# Altium PCB PCB1.PcbDoc
Units mm, origin at the board's own origin, x right, y up, seen from the top; angles counter-clockwise.
Board outline 68.07 x 91.57 mm, 2 copper layers (Top Layer, Bottom Layer); 10 components, 29 nets, 94 pads, 8 vias.
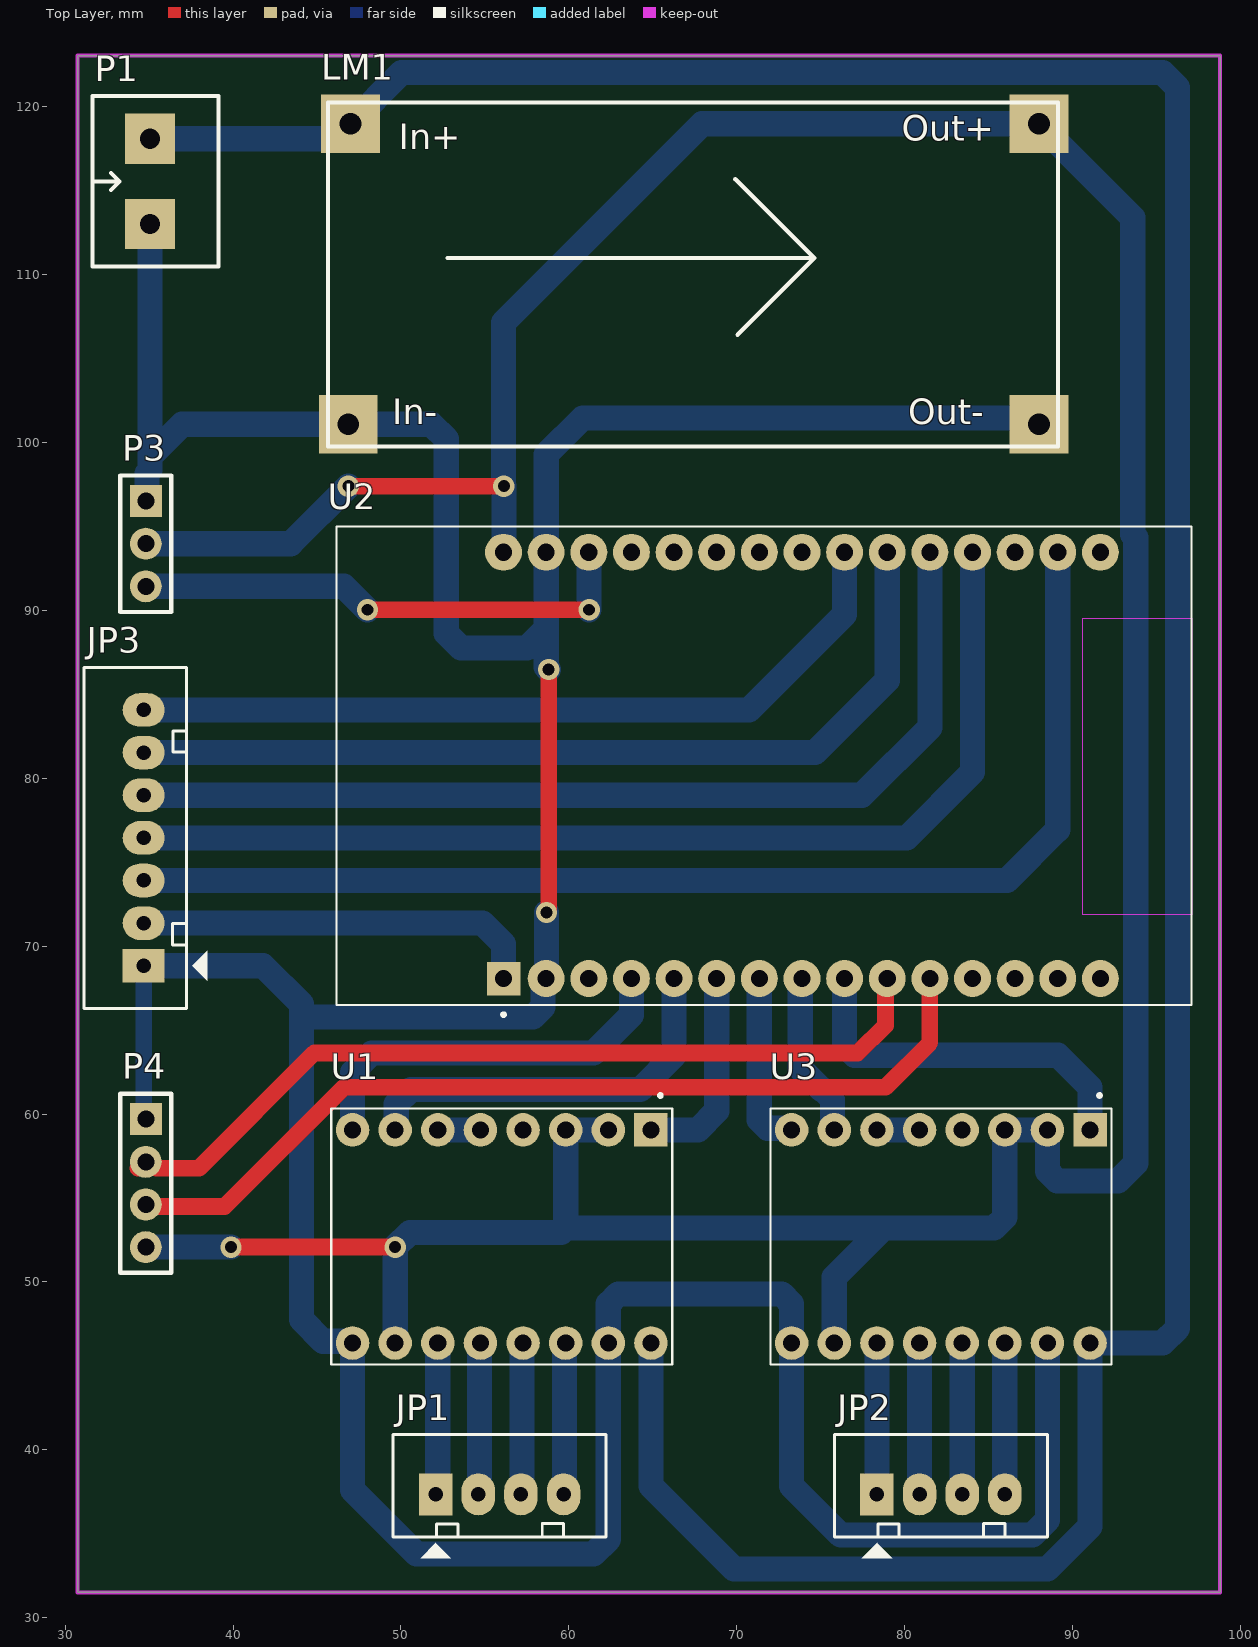
[diagram p0: Top Layer view]
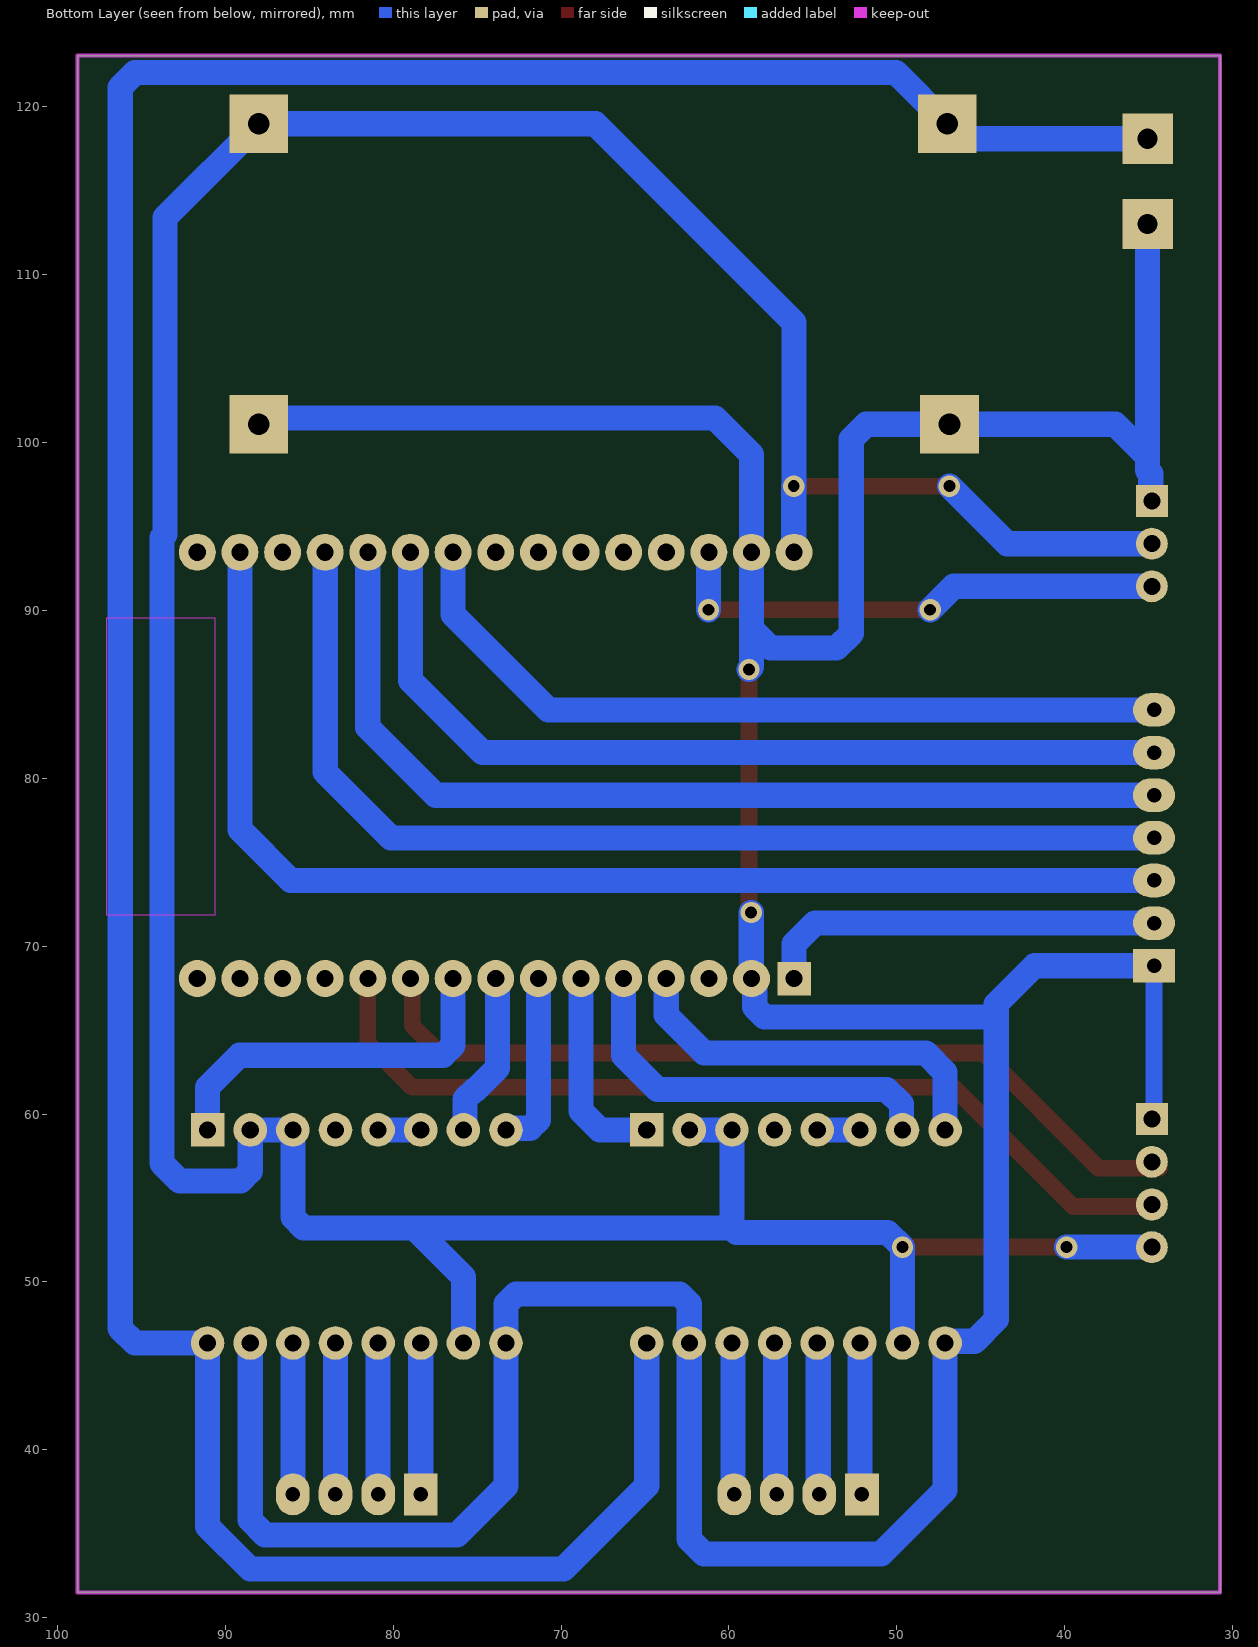
[diagram p1: Bottom Layer view, seen from below]
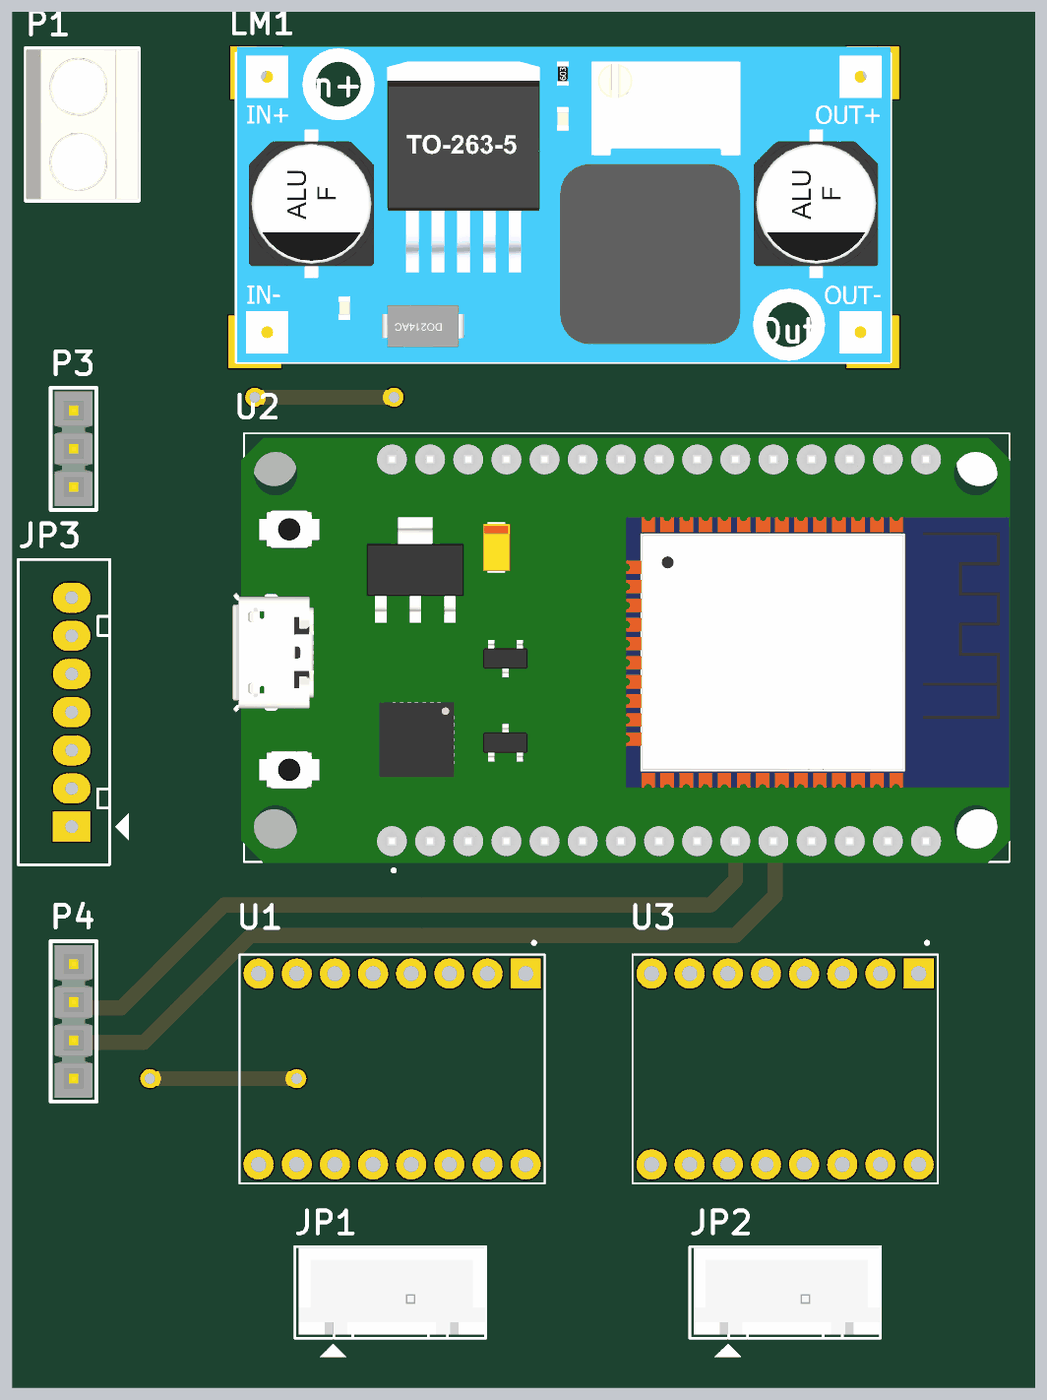
[diagram p2: 3D render of the assembled board from above, using the file's embedded part models]

## Layer stack, top to bottom
Top Solder: solder mask 0.0102, Solder Resist, Dk 3.5
Top Layer: signal copper 0.0356
Dielectric 1: dielectric 0.32, FR-4, Dk 4.8
Bottom Layer: signal copper 0.0356
Bottom Solder: solder mask 0.0102, Solder Resist, Dk 3.5

## Board outline
30.734,31.496 30.734,123.063 98.806,123.063 98.806,31.496

## Design rules (kind name [scope] priority, off if disabled: settings)
Clearance [All] p1: gap=0.254 ignorepadtopadclearanceinfootprint=FALSE
PolygonConnect [All] p1: connectstyle=Relief reliefconductorwidth=0.254 reliefentries=4 polygonreliefangle="90 Angle" airgapwidth=0.254
RoutingVias [All] p1: holewidth=0.711 width=1.27 viastyle="Through Hole" minholewidth=0.711 minwidth=1.27 maxholewidth=0.711 maxwidth=1.27
SolderMaskExpansion [All] p1: expansion=0.102 istentingtop=FALSE
Width [All] p1: maxlimit=1.5 minlimit=1 preferedwidth=1 toplayer_maxwidth=1 minimp=50.000000 maximp=50.000000 favimp=50.000000
30 further rules are at their usual default settings.

## Components (designator, comment, footprint, x,y, rotation, side; value= is the part's Value field where it differs from the comment)
JP1 "JP4" CON4 52.07,37.338 r0 top value="Connector 4"
JP2 "JP4" CON4 78.359,37.338 r0 top value="Connector 4"
JP3 "JP7" CON7 34.671,68.834 r90 top value="Connector 7"
LM1 "LM2596-Adj" lm2596 63.5,107.95 r0 top
P1 "Header 2 - M" "Medium - Header 2" 35.052,115.57 r90 top
P3 "Header 3" "Header 3" 34.798,96.52 r270 top
P4 "Header 4" "Header 4" 34.798,59.69 r270 top
U1 "A4988" MODULE_A4988_STEPPER_MOTOR_DRIVER_CARRIER 56.007,52.705 r270 top
U2 "ESP32-DEVKIT-V1" MODULE_ESP32_DEVKIT_V1 71.628,80.772 r90 top
U3 "A4988" MODULE_A4988_STEPPER_MOTOR_DRIVER_CARRIER 82.169,52.705 r270 top

## Footprints (in the part's own frame and the unit in brackets; to place one, negate y for a bottom-side part, rotate by r counter-clockwise, add the part's x,y. Pads: shape width x height; smd on the part's side, far side on the other; paste and mask are expansions set on the pad)
CON4 [mm] "CON4"
  rect 2x2.5 hole 0.864: 1(0,0)
  oval 2x2.5 hole 0.864: 2(2.54,0) 3(5.08,0) 4(7.62,0)
  silkscreen extent -2.54,-3.8 10.16,3.56, body extent -2.29,-2.29 10.11,3.46, height 7
CON7 [mm] "CON7"
  rect 2x2.5 hole 0.864: 1(0,0)
  oval 2x2.5 hole 0.864: 2(2.54,0) 3(5.08,0) 4(7.62,0) 5(10.16,0) 6(12.7,0) 7(15.24,0)
  silkscreen extent -2.54,-3.8 17.78,3.56
"Header 3" [mil] "Connector; Header; 3 Position; Solder Pad 35mil"
  rect 75x75 hole 40: 1(0,0)
  round 75 hole 40: 2(100,0) 3(200,0)
  silkscreen extent -60,-60 260,60, body extent -50,-50 250,50, height 83
"Header 4" [mil] "Connector; Header; 4 Position; Solder Pad 35mil"
  rect 75x75 hole 40: 1(0,0)
  round 75 hole 40: 2(100,0) 3(200,0) 4(300,0)
  silkscreen extent -60,-60 360,60, body extent -50,-50 350,50, height 330
lm2596 [mm]
  rect 3.5x3.5 hole 1.3: 1(-16.51,11.049) 2(-16.637,-6.858) 3(24.511,-6.858) 4(24.511,11.049)
  silkscreen extent -17.85,-8.18 25.65,12.32, body extent -17.81,-8.21 25.69,12.79, height 13.68
"Medium - Header 2" [mm]
  rect 3x3 hole 1.2: 1(-2.54,0) 2(2.54,0)
  silkscreen extent -5.08,-4.08 5.08,3.43, body extent -5,-4.07 5,3.43, height 10
MODULE_A4988_STEPPER_MOTOR_DRIVER_CARRIER [mm]
  rect 2x2 hole 1.02: 1(-6.35,8.89)
  round 2 hole 1.02: 2(-6.35,6.35) 3(-6.35,3.81) 4(-6.35,1.27) 5(-6.35,-1.27) 6(-6.35,-3.81) 7(-6.35,-6.35) 8(-6.35,-8.89) 9(6.35,-8.89) 10(6.35,-6.35) 11(6.35,-3.81) 12(6.35,-1.27) 13(6.35,1.27) 14(6.35,3.81) 15(6.35,6.35) 16(6.35,8.89)
  silkscreen extent -8.5,-10.16 7.62,10.16
MODULE_ESP32_DEVKIT_V1 [mm]
  rect 2x2 / inner round 2 / far side rect 2x2 hole 1.02: 1(-12.7,15.515)
  round 2.2 hole 1.02: 2(-12.7,12.975) 3(-12.7,10.435) 4(-12.7,7.895) 5(-12.7,5.355) 6(-12.7,2.815) 7(-12.7,0.275) 8(-12.7,-2.265) 9(-12.7,-4.805) 10(-12.7,-7.345) 11(-12.7,-9.885) 12(-12.7,-12.425) 13(-12.7,-14.965) 14(-12.7,-17.505) 15(-12.7,-20.045) 16(12.7,-20.045) 17(12.7,-17.505) 18(12.7,-14.965) 19(12.7,-12.425) 20(12.7,-9.885) 21(12.7,-7.345) 22(12.7,-4.805) 23(12.7,-2.265) 24(12.7,0.275) 25(12.7,2.815) 26(12.7,5.355) 27(12.7,7.895) 28(12.7,10.435) 29(12.7,12.975) 30(12.7,15.515)
  round 3 on Top Paste: ""(-12.28,23.475) ""(12.23,23.475)
  round 3 on Top Overlay: ""(-12.28,-23.475) ""(12.23,-23.475)
  Top Layer keep-out region: 8.78,-25.475 -8.91,-25.475 -8.91,-18.985 8.78,-18.985
  Keep-Out Layer region: 8.78,-25.475 -8.91,-25.475 -8.91,-18.985 8.78,-18.985
  silkscreen extent -14.95,-25.48 14.23,25.48, body extent -14.35,-25.53 13.95,26.24, height 4.7

## Part data
JP1 JP2: library part Con4, "Connector 4"
JP3: library part Con7, "Connector 7"
LM1: "Designed By @Alixahedi"
P1: "Header, 2-Pin, Medium", LatestRevisionDate=17-Jul-2002, LatestRevisionNote="Re-released for DXP Platform.", Publisher="Altium Limited"
P3: "Header, 3-Pin", LatestRevisionDate=17-Jul-2002, LatestRevisionNote="Re-released for DXP Platform.", Publisher="Altium Limited"
P4: "Header, 4-Pin", LatestRevisionDate=17-Jul-2002, LatestRevisionNote="Re-released for DXP Platform.", Publisher="Altium Limited"
U1 U3: library part A4988_STEPPER_MOTOR_DRIVER_CARRIER, "Stepper motor controler; IC: A4988; 1A; Uin mot: 8Ã·35V", Package=None, Availability=Unavailable, MP=A4988_STEPPER_MOTOR_DRIVER_CARRIER, Price=None
U2: "Dual core, Wi-Fi: 2.4 GHz up to 150 Mbits/s,BLE (Bluetooth Low Energy) and legacy Bluetooth, 32 bits, Up to 240 MHz", Package=None, Availability="Not in stock", Check_prices=https://www.snapeda.com/parts/ESP32-DEVKIT-V1/Do+it/view-part/?ref=eda, MF="Do it", MP=ESP32-DEVKIT-V1, Price=None, SnapEDA_Link=https://www.snapeda.com/parts/ESP32-DEVKIT-V1/Do+it/view-part/?ref=snap

## Via types
v1: diameter 1.27, hole 0.711, Top Layer to Bottom Layer, 8 vias

## Nets (pads, with @x,y where several pads share a name; then routed paths per layer and width w, separated by ;. In a path a pad name is that pad's centre, name@x,y a point inside that pad or via, vN(x,y) a via of type N, cw(c..) or ccw(c..) an arc to the next point about the centre after c; other vN are vias at no path point)
1: JP2.1 U3.11 | length 9
  Bottom Layer w1.5: JP2.1 U3.11
1R: JP1.1 U1.11 | length 9.3
  Bottom Layer w1.5: JP1.1@52.07,37.529 JP1.1 52.197,37.465 U1.11
2: JP2.2 U3.12 | length 9
  Bottom Layer w1.5: JP2.2 U3.12
2R: JP1.2 U1.12 | length 9.1
  Bottom Layer w1.5: JP1.2 54.673,37.401 54.673,46.291 U1.12
3: JP2.3 U3.13 | length 9
  Bottom Layer w1.5: JP2.3 U3.13
3V3: JP3.2 U2.1 | length 24
  Bottom Layer w1.5: JP3.2 54.864,71.374 56.113,70.125 U2.1
4: JP2.4 U3.14 | length 9
  Bottom Layer w1.5: JP2.4 U3.14
+5: LM1.4 P3.2 P4.4 U1.2 U1.3 U1.10 U2.30 U3.2 U3.3 U3.10 | length 227.6
  Top Layer w1: v1(39.878,52.07) v1(49.657,52.07) ; v1(46.863,97.409) v1(56.134,97.409)
  Bottom Layer w1.5: P4.4 v1(39.878,52.07) ; P3.2 43.434,93.98 v1(46.863,97.409) ; U1.10 v1(49.657,52.07) 50.536,52.949 59.553,52.949 59.817,53.213 78.74,53.213 ; U2.30 56.134,93.493 v1(56.134,97.409) 56.113,97.43 56.113,107.167 67.945,118.999 LM1.4 93.599,113.411 93.599,94.522 93.777,94.344 93.777,57.064 92.72,56.007 89.105,56.007 88.519,56.593 U3.2 U3.3 85.979,53.848 85.344,53.213 78.74,53.213 ; 59.817,53.467 U1.3 U1.2 ; U3.10 75.819,50.292 78.74,53.213
+12: LM1.1 P1.2 U1.16 U3.16 | length 191.4
  Bottom Layer w1.5: P1.2 46.101,118.11 LM1.1 50.038,122.047 95.387,122.047 96.266,121.168 96.266,47.234 95.387,46.355 U3.16 91.059,35.433 88.519,32.893 69.85,32.893 64.897,37.846 U1.16
ECHO: P4.2 U2.10 | length 51
  Top Layer w1: P4.2@34.327,56.769 34.408,56.85 35.357,56.85 35.438,56.769 37.973,56.769 44.831,63.627 77.216,63.627 78.867,65.278 78.867,67.966 U2.10
GND: JP3.1 LM1.2 LM1.3 P1.1 P3.1 P4.1 U1.9 U1.15 U2.2 U2.29 U3.9 U3.15 | length 263.1
  Top Layer w1: v1(58.674,72.009) 58.674,72.082 58.801,72.209 v1(58.801,86.487)
  Bottom Layer w1: JP3.1 34.671,59.817 P4.1
  Bottom Layer w1.5: JP3.1 41.783,68.834 44.069,66.548 44.069,65.786 ; P3.1 34.861,96.584 34.861,98.171 35.052,98.361 35.052,99.187 ; P1.1 35.052,99.187 ; LM1.2 36.957,101.092 35.052,99.187 ; LM1.2@47.244,101.092 51.826,101.092 52.705,100.213 52.705,88.636 53.584,87.757 57.51,87.757 58.653,88.9 ; v1(58.674,72.009) 58.663,71.998 58.663,68.083 58.462,67.881 58.462,66.372 57.876,65.786 44.069,65.786 ; v1(58.801,86.487) 58.653,86.635 58.653,88.9 ; LM1.3 87.63,101.473 60.833,101.473 58.653,99.293 U2.29 58.653,88.9 ; U3.15 88.519,35.814 87.63,34.925 76.2,34.925 73.279,37.846 U3.9 73.279,48.69 72.693,49.276 62.943,49.276 62.357,48.69 U1.15 62.357,34.661 61.478,33.782 50.927,33.782 47.117,37.592 U1.9 47.016,46.456 45.365,46.456 44.069,47.752 44.069,65.786
LD: U2.7 U3.8 | length 10.6
  Bottom Layer w1.5: U2.7 71.353,59.641 71.837,59.156 73.178,59.156 U3.8
LE: U2.9 U3.1 | length 22.2
  Bottom Layer w1.5: U2.9 76.433,64.086 77.019,63.5 89.154,63.5 91.059,61.595 U3.1
LS: U2.8 U3.7 | length 9.9
  Bottom Layer w1.5: U2.8 73.787,67.966 73.787,62.738 75.057,61.468 75.132,61.468 75.718,60.882 75.718,59.156 U3.7
NetJP1_3: JP1.3 U1.13 | length 9.1
  Bottom Layer w1.5: JP1.3 57.213,37.401 57.213,46.291 U1.13
NetJP1_4: JP1.4 U1.14 | length 9.1
  Bottom Layer w1.5: JP1.4 59.753,37.401 59.753,46.291 U1.14
NetP1_1: 
NetU1_5: U1.5 U1.6 | length 2.5
  Bottom Layer w1.5: U1.6 U1.5
NetU3_5: U3.5 U3.6 | length 2.5
  Bottom Layer w1.5: U3.6 U3.5
RD: U1.8 U2.4 | length 23.6
  Bottom Layer w1.5: U1.8 47.117,62.484 48.26,63.627 61.468,63.627 63.733,65.892 U2.4
RE: U1.1 U2.6 | length 12.3
  Bottom Layer w1.5: U1.1 67.691,59.055 68.813,60.177 U2.6
RS: U1.7 U2.5 | length 23.9
  Bottom Layer w1.5: U1.7 49.719,59.117 49.719,60.589 50.598,61.468 64.262,61.468 66.273,63.479 U2.5
S1: JP3.3 U2.17 | length 72.2
  Bottom Layer w1.5: JP3.3 86.106,73.914 89.133,76.941 U2.17
S2: JP3.4 U2.19 | length 64.1
  Bottom Layer w1.5: JP3.4 80.137,76.454 84.053,80.37 U2.19
S3: JP3.5 U2.20 | length 59
  Bottom Layer w1.5: JP3.5 77.47,78.994 81.513,83.037 U2.20
S4: JP3.6 U2.21 | length 53.7
  Bottom Layer w1.5: JP3.6 74.676,81.534 78.973,85.831 U2.21
S5: JP3.7 U2.22 | length 47.8
  Bottom Layer w1.5: JP3.7 70.739,84.074 76.433,89.768 U2.22
SG: P3.3 U2.28 | length 30.4
  Top Layer w1: v1(48.006,90.043) v1(61.214,90.043)
  Bottom Layer w1.5: P3.3 46.609,91.44 v1(48.006,90.043) ; U2.28 61.214,93.451 v1(61.214,90.043)
TG: P4.3 U2.11 | length 54.8
  Top Layer w1: P4.3@34.544,54.483 39.497,54.483 46.609,61.595 78.867,61.595 81.513,64.241 U2.11
pads on no net: U1.4 U2. U2.3 U2.12 U2.13 U2.14 U2.15 U2.16 U2.18 U2.23 U2.24 U2.25 U2.26 U2.27 U3.4

## Keep-outs
Keep-Out Layer:
  the board outline again, w0.254

## Text inside footprints (layer, text, board x,y; h text height)
LM1: Top Overlay "Out+" at 79.832,117.983 h1.52; Top Overlay "Out-" at 80.213,101.092 h1.52; Top Overlay "In-" at 49.479,101.092 h1.52; Top Overlay "In+" at 49.86,117.475 h1.52